# Altium PCB Beagle93.PCBDOC (part 1 of 7) (continued)
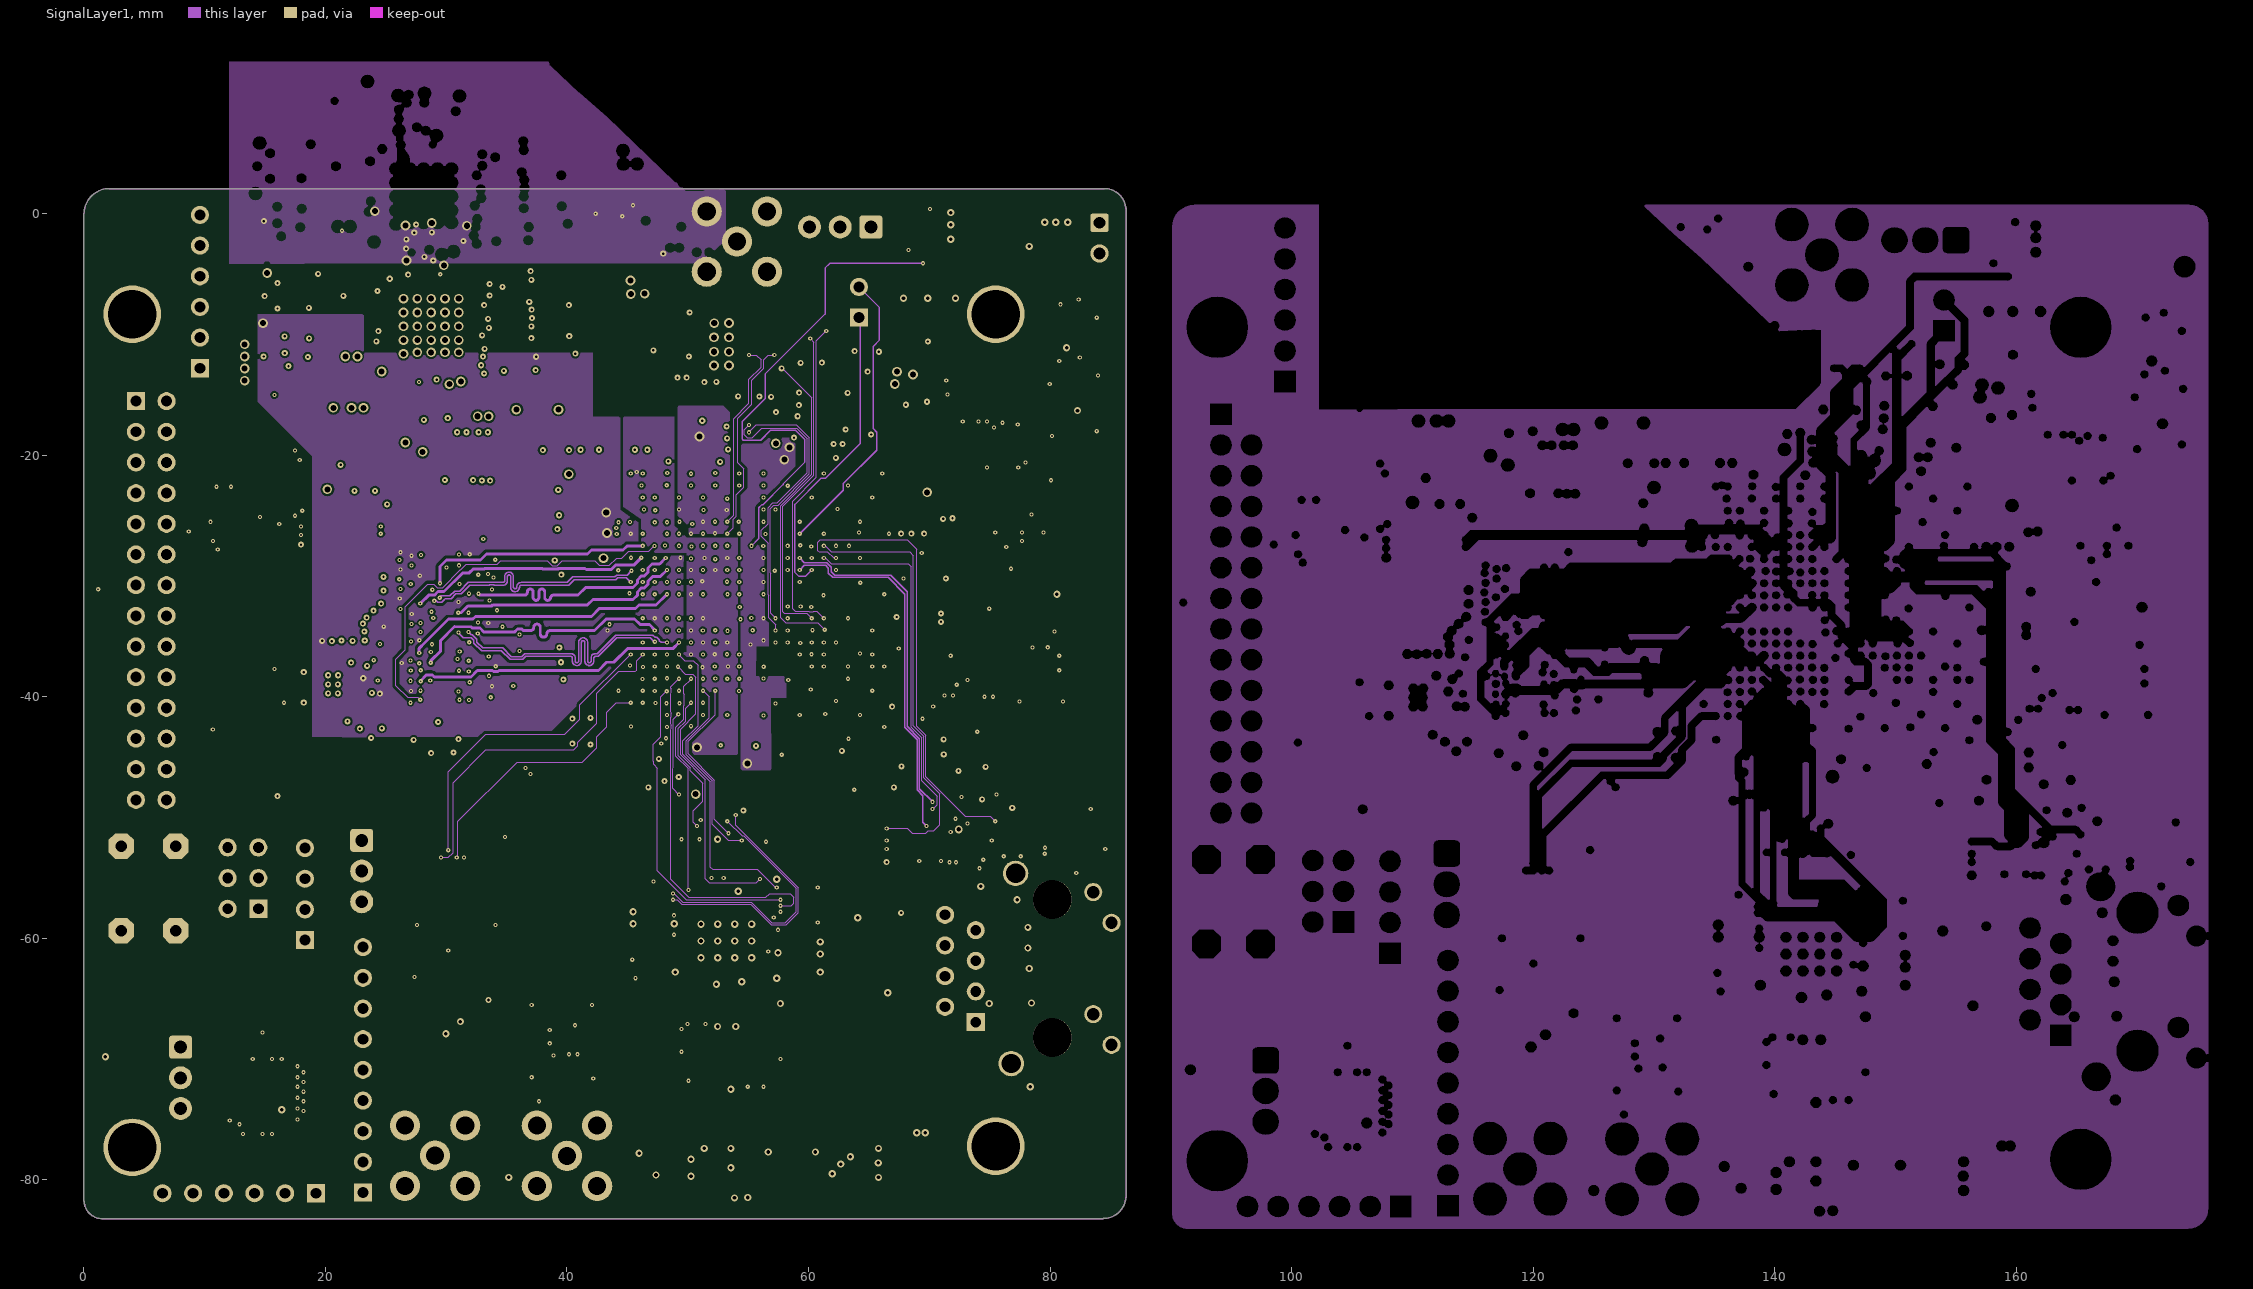
[diagram p4: SignalLayer1]
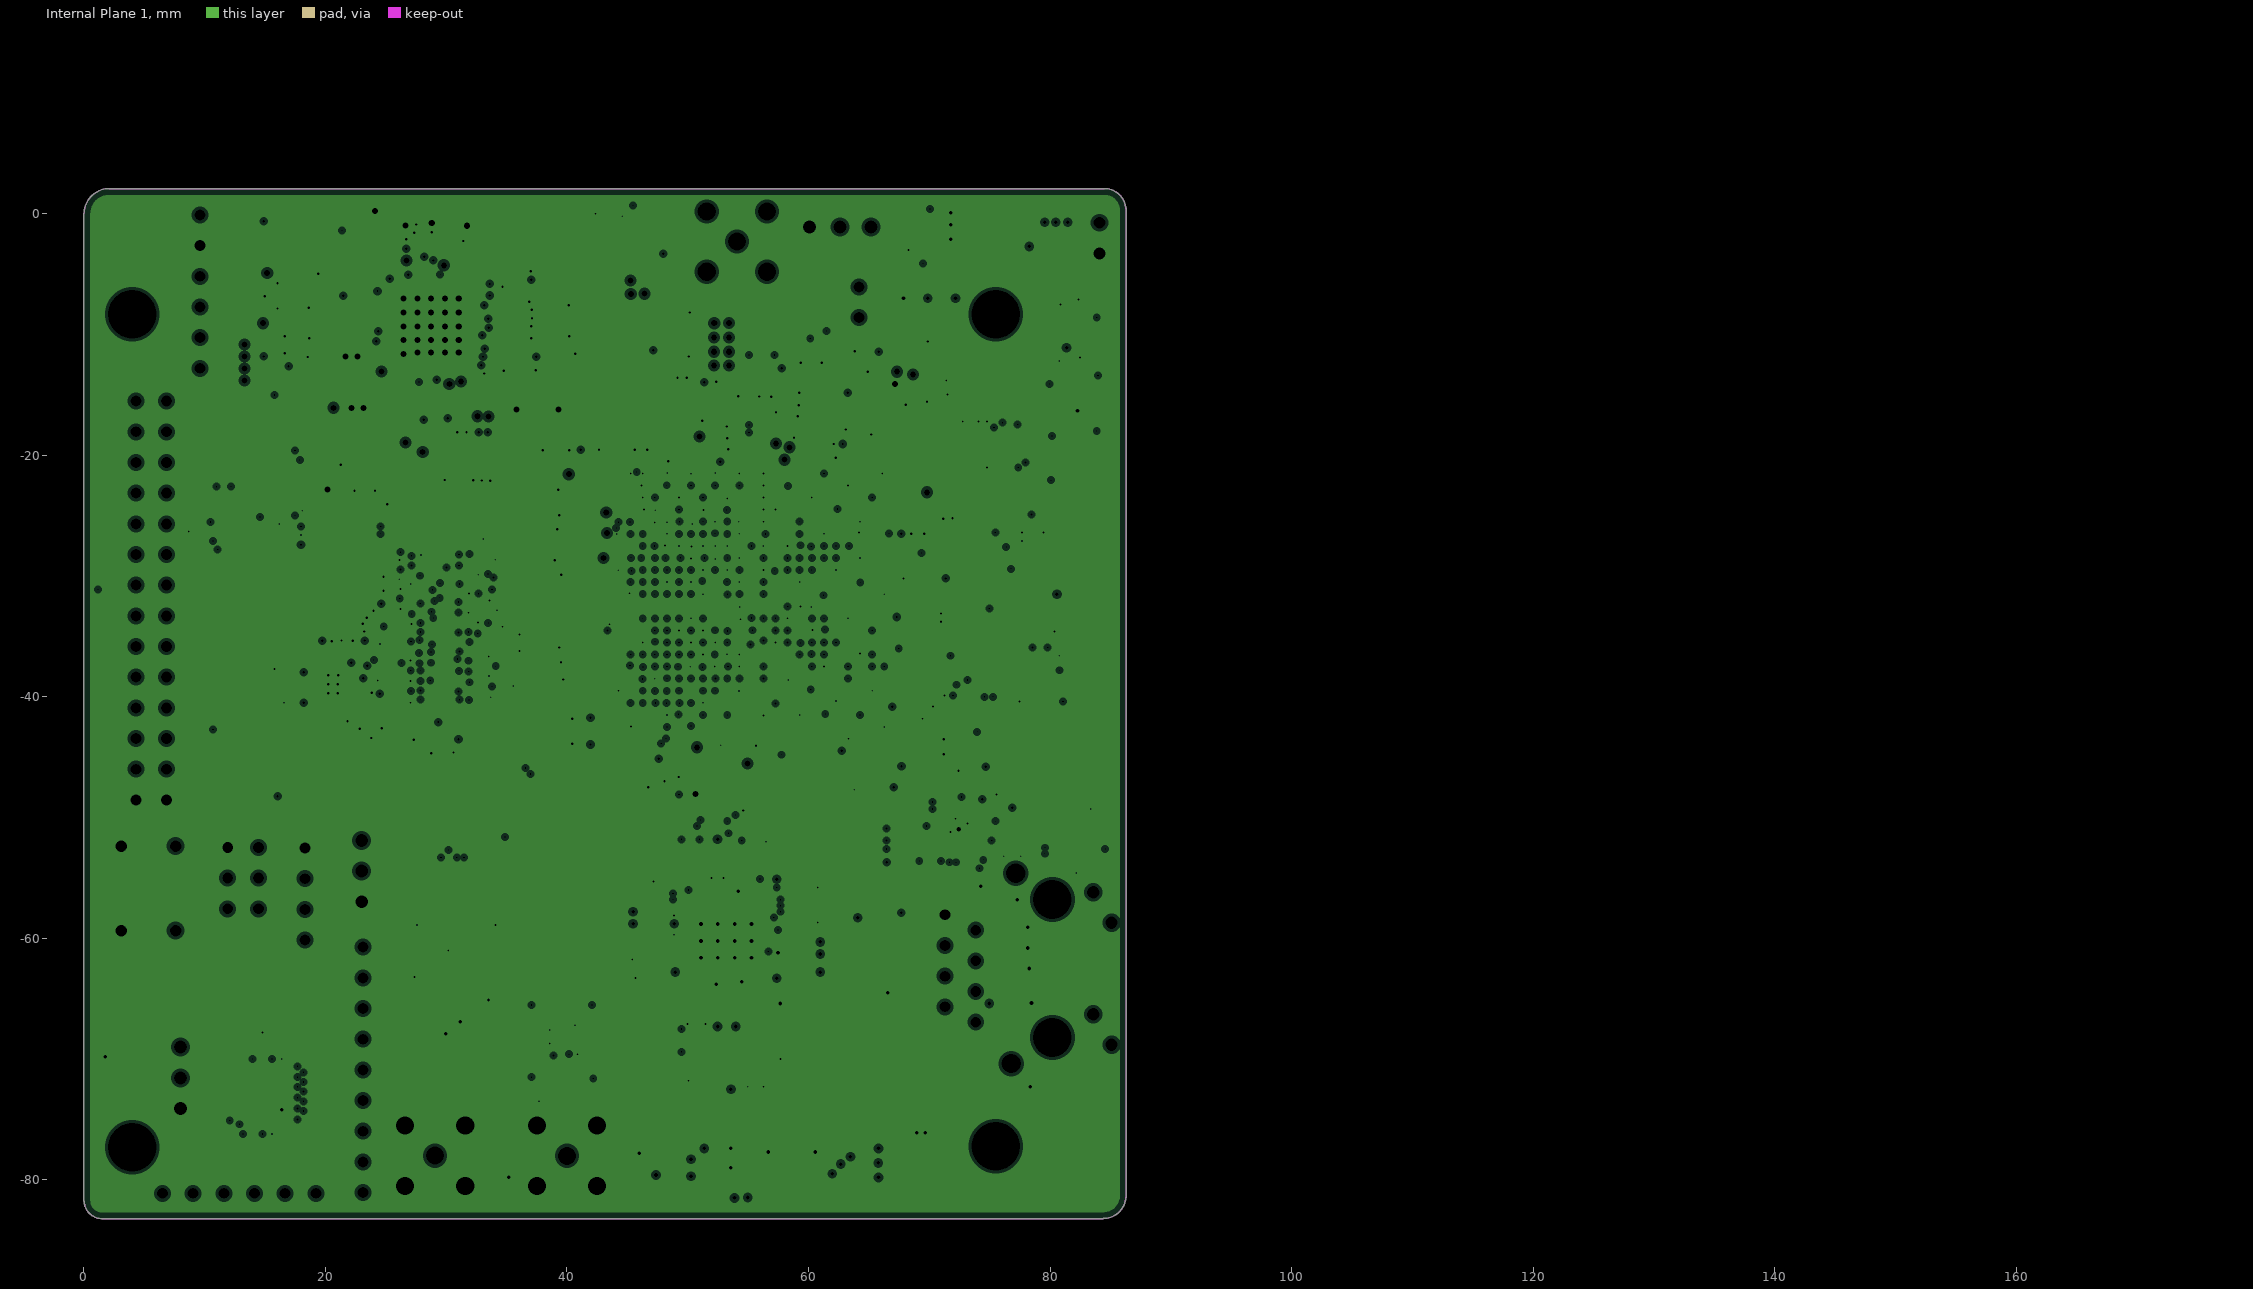
[diagram p5: Internal Plane 1, clearances drawn from the general rule]
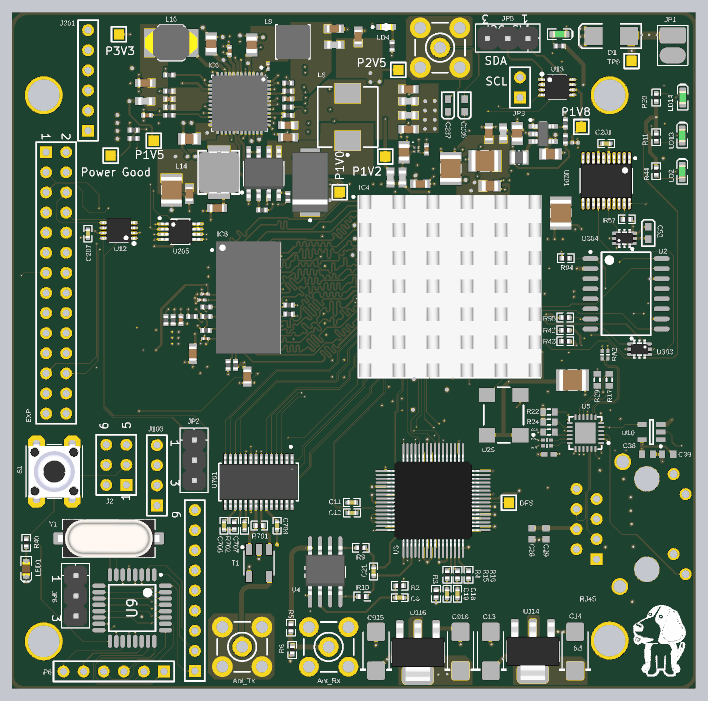
[diagram p12: 3D render of the assembled board from above, using the file's embedded part models]
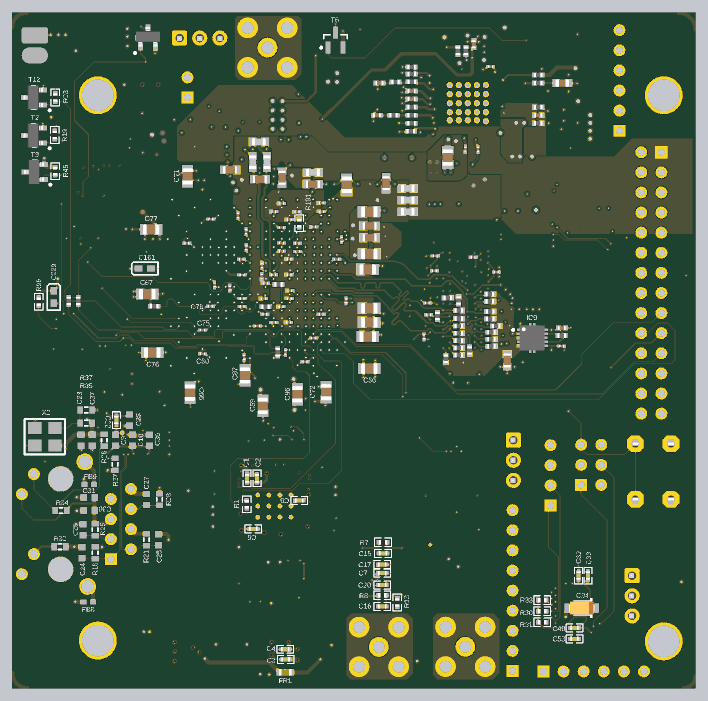
[diagram p13: 3D render of the assembled board from below, using the file's embedded part models]

## Layer stack, top to bottom
TopSolder: solder mask 0.0225, Solder Resist, Dk 3.5
TopLayer: signal copper 0.053
Dielectric1: core 0.11, FR-4, Dk 4.2
MidLayer1: signal copper 0.018
Dielectric2: prepreg 0.2, FR-4, Dk 4.2
MidLayer2: signal copper 0.018
Dielectric3: core 0.73, FR-4, Dk 4.2
SignalLayer1: signal copper 0.018
Dielectric4: prepreg 0.2, FR-4, Dk 4.2
Internal Plane 1: plane copper 0.018, net GND
Dielectric5: core 0.11, FR-4, Dk 4.2
BottomLayer: signal copper 0.053
BottomSolder: solder mask 0.0225, Solder Resist, Dk 3.5

## Board outline
0,-81.7 ccw(c1.5,-81.7) 1.5,-83.2 84.4,-83.2 84.415,-83.185 ccw(c84.415,-81.3) 86.3,-81.3 86.3,0.3 ccw(c84.5,0.3) 84.5,2.1 2.1,2.1 ccw(c2.1,0) 0,0

## Design rules (kind name [scope] priority, off if disabled: settings)
AcuteAngle [All] p1: minimum=6.00000000000000E+0001 checktracksonly=FALSE
AssemblyTestPointUsage [All] p1 off:
AssemblyTestpoint [All] p1 off: testpointundercomponent=TRUE minsize=1.016 maxsize=2.54 preferedsize=1.524 minholesize=0 maxholesize=1.016 preferedholesize=0.813 testpointgrid=0.025 usegrid=TRUE gridtolerance=0 allowsidetop=TRUE allowsidebottom=TRUE
Clearance Clearance_poly_balancing [InNamedPolygon('BAL_TOP') or InNamedPolygon('BAL_BOT') or InNamedPolygon('ML1_BAL') or  InNamedPolygon('ML2_BAL')] p1: gap=0.152
Clearance Clearance_via [IsVia vs IsVia] p2: gap=0.254 except(0.076: Arc-Track Arc-SMDPad Track-Track Track-SMDPad SMDPad-SMDPad SMDPad-Fill SMDPad-Region THPad-Fill THPad-Region; 0.08: Arc-Arc; 0.1: Arc-Fill Arc-Region Track-Fill Track-Region Fill-Fill Fill-Region; 0.127: Arc-Poly Track-Poly SMDPad-Poly THPad-Poly Fill-Poly Poly-Poly Poly-Region Region-Region; 0.15: Arc-Via Track-Via SMDPad-Via Via-Via Via-Fill Via-Poly Via-Region; 0.2: Arc-THPad Track-THPad SMDPad-THPad THPad-THPad THPad-Via)
Clearance Clearance_inner_lvds_mid2 [(OnLayer('MidLayer2') AND InNetClass('Diff_100Ohm'))] p3 off: gap=0.54
Clearance Clearance_inner_lvds_sign1 [(InDifferentialPairClass('All Differential Pairs'))] p4 off: gap=0.54 except(0.1: Arc-SMDPad Track-SMDPad; 0.15: Arc-Via Track-Via SMDPad-Via; 0.2: Arc-THPad Track-THPad SMDPad-SMDPad THPad-Via Via-Via)
Clearance Clearance_ddr [IsTrack and (InNetClass('DDR_BL0') OR InNetClass('DDR_AddressAndControls')) vs IsTrack and (InNetClass('DDR_BL0') OR InNetClass('DDR_AddressAndControls'))] p5 off: gap=0.5 except(0.15: Arc-Via Track-Via; 0.25: Arc-Arc Arc-Track Track-Track; 0.54: Via-Via Via-Fill Via-Poly Via-Region Via-Text Fill-Fill Fill-Poly Fill-Region Fill-Text Poly-Poly Poly-Region Poly-Text Region-Region Region-Text Text-Text)
Clearance Clearance_inner [(OnLayer('MidLayer1') OR OnLayer('MidLayer2') OR OnLayer('SignalLayer1'))] p6: gap=0.25 except(0.076: Arc-Arc Arc-Track Arc-SMDPad Track-Track Track-SMDPad SMDPad-SMDPad SMDPad-Fill SMDPad-Region THPad-Fill THPad-Region; 0.1: Track-Region; 0.127: SMDPad-Poly THPad-Poly; 0.15: Arc-Via Track-Via Via-Fill Via-Poly Via-Region Region-Region; 0.2: SMDPad-Via THPad-Via; 0.254: Arc-Text Track-Text SMDPad-Text THPad-Text Via-Text Fill-Text Poly-Text Region-Text Text-Text)
Clearance [OnLayer('TopLayer') or OnLayer('BottomLayer')] p7: gap=0.089 except(0.1: Arc-Fill Arc-Region Track-Fill Track-Region Fill-Fill Fill-Region Poly-Region Region-Region; 0.127: Arc-Poly Track-Poly SMDPad-Poly THPad-Poly Fill-Poly Poly-Poly; 0.15: Arc-Via Track-Via SMDPad-Via Via-Fill Via-Region; 0.152: Via-Poly; 0.2: Arc-THPad Track-THPad SMDPad-THPad THPad-THPad THPad-Via; 0.254: Arc-Text Track-Text SMDPad-Text THPad-Text Via-Text Fill-Text Poly-Text Region-Text Text-Text; 0.275: Via-Via)
ComponentClearance [All] p1 off: gap=0.254 collisioncheckmode=3 verticalgap=0.254 showdistances=FALSE
DiffPairsRouting DiffPairsRouting_lvpecl [InDifferentialPairClass('LVPECL')] p1: maxlimit=0.31 minlimit=0.125 mostfreqgap=0.31 toplayer_maxgap=0.125 toplayer_prefgap=0.125 toplayer_minwidth=0.095 toplayer_maxwidth=0.095 toplayer_prefwidth=0.095 midlayer1_mingap=0.25 midlayer1_maxgap=0.25 midlayer1_prefgap=0.25 midlayer1_minwidth=0.15 midlayer1_maxwidth=0.15 midlayer1_prefwidth=0.15 midlayer2_mingap=0.31 midlayer2_minwidth=0.165 midlayer2_maxwidth=0.165 midlayer2_prefwidth=0.165 midlayer7_mingap=0.31 midlayer7_minwidth=0.165 midlayer7_maxwidth=0.165 midlayer7_prefwidth=0.165 bottomlayer_maxgap=0.125 bottomlayer_prefgap=0.125 bottomlayer_minwidth=0.095 bottomlayer_maxwidth=0.095 bottomlayer_prefwidth=0.095 maxuncoupledlength=3
DiffPairsRouting DiffPairsRouting_100_Ohm [InDifferentialPairClass('Diff_100Ohm')] p2: maxlimit=0.25 minlimit=0.12 mostfreqgap=0.12 toplayer_mingap=0.125 toplayer_maxgap=0.125 toplayer_prefgap=0.125 toplayer_minwidth=0.095 toplayer_maxwidth=0.095 toplayer_prefwidth=0.095 midlayer1_mingap=0.25 midlayer1_prefgap=0.25 midlayer1_minwidth=0.15 midlayer1_maxwidth=0.15 midlayer1_prefwidth=0.15 midlayer2_maxgap=0.12 midlayer2_minwidth=0.1 midlayer2_maxwidth=0.115 midlayer2_prefwidth=0.115 midlayer7_maxgap=0.12 midlayer7_minwidth=0.1 midlayer7_maxwidth=0.115 midlayer7_prefwidth=0.115 bottomlayer_mingap=0.125 bottomlayer_maxgap=0.125 bottomlayer_prefgap=0.125 bottomlayer_minwidth=0.095 bottomlayer_maxwidth=0.095 bottomlayer_prefwidth=0.095 maxuncoupledlength=10
DiffPairsRouting DiffPairsRouting_90_Ohm [InDifferentialPairClass('Diff_90Ohm')] p3: maxlimit=0.15 minlimit=0.12 mostfreqgap=0.12 toplayer_mingap=0.15 toplayer_prefgap=0.15 toplayer_minwidth=0.135 toplayer_maxwidth=0.135 toplayer_prefwidth=0.135 midlayer1_mingap=0.125 midlayer1_maxgap=0.125 midlayer1_prefgap=0.125 midlayer1_minwidth=0.312 midlayer1_maxwidth=0.312 midlayer1_prefwidth=0.312 midlayer2_maxgap=0.12 midlayer2_minwidth=0.15 midlayer2_maxwidth=0.15 midlayer2_prefwidth=0.15 midlayer7_maxgap=0.12 midlayer7_minwidth=0.15 midlayer7_maxwidth=0.15 midlayer7_prefwidth=0.15 bottomlayer_mingap=0.15 bottomlayer_prefgap=0.15 bottomlayer_minwidth=0.135 bottomlayer_maxwidth=0.135 bottomlayer_prefwidth=0.135 maxuncoupledlength=12.7
DiffPairsRouting [All] p4 off: maxlimit=0.254 minlimit=0.12 mostfreqgap=0.125 toplayer_minwidth=0.075 toplayer_maxwidth=0.5 toplayer_prefwidth=0.125 midlayer1_minwidth=0.075 midlayer1_maxwidth=0.5 midlayer1_prefwidth=0.125 midlayer2_minwidth=0.075 midlayer2_maxwidth=0.5 midlayer2_prefwidth=0.125 midlayer7_minwidth=0.075 midlayer7_maxwidth=0.5 midlayer7_prefwidth=0.125 bottomlayer_minwidth=0.075 bottomlayer_maxwidth=0.5 bottomlayer_prefwidth=0.125 maxuncoupledlength=3
FabricationTestPointUsage TestPointUsage [All] p1: valid=0 allowmultiple=FALSE
FabricationTestpoint Testpoint [All] p1: side=3 testpointundercomponent=TRUE minsize=1.016 maxsize=2.54 preferedsize=1.524 minholesize=0.508 maxholesize=1.016 preferedholesize=0.813 testpointgrid=0.025 allowsidetop=TRUE allowsidebottom=TRUE usegrid=TRUE gridtolerance=0
Height Height_1 [OnLayer('BottomLayer')] p1: minheight=0 maxheight=2 prefheight=1
Height [All] p2: minheight=0 maxheight=25.4 prefheight=12.7
HoleSize [All] p1: absolutevalues=TRUE maxlimit=6 minlimit=0.15 maxpercent=80.000 minpercent=20.000
HoleToHoleClearance [All] p1: gap=0.15 allowstackedmicrovias=TRUE
MatchedLengths MatchedLengths_sfp [InDifferentialPairClass('SFP_RX_TX')] p1: tolerance=1 checknetsindiffpair=TRUE checkdiffpairvsdiffpair=FALSE checkothers=FALSE
MatchedLengths MatchedLengths_diff_clocks [InxSignalClass('Differential clocks')] p2: tolerance=1 checknetsindiffpair=TRUE checkdiffpairvsdiffpair=FALSE checkothers=FALSE
MatchedLengths MatchLengths_xSignals_clock_fanout [InxSignalClass('Clock fanout')] p3: tolerance=1 checknetsindiffpair=FALSE checkdiffpairvsdiffpair=TRUE checkothers=TRUE
MatchedLengths MatchedLengths_ext0 [InNetClass('EXT0')] p4: tolerance=10 checknetsindiffpair=FALSE checkdiffpairvsdiffpair=TRUE checkothers=TRUE
MatchedLengths MatchedLengths_ext11 [InNetClass('EXT11')] p5: tolerance=10 checknetsindiffpair=FALSE checkdiffpairvsdiffpair=TRUE checkothers=TRUE
MatchedLengths MatchedLengths_ext10 [InNetClass('EXT10')] p6: tolerance=10 checknetsindiffpair=FALSE checkdiffpairvsdiffpair=TRUE checkothers=TRUE
MatchedLengths MatchedLengths_ext9 [InNetClass('EXT9')] p7: tolerance=10 checknetsindiffpair=FALSE checkdiffpairvsdiffpair=TRUE checkothers=TRUE
MatchedLengths MatchedLengths_ext8 [InNetClass('EXT8')] p8: tolerance=10 checknetsindiffpair=FALSE checkdiffpairvsdiffpair=TRUE checkothers=TRUE
MatchedLengths MatchedLengths_ext7 [InNetClass('EXT7')] p9: tolerance=10 checknetsindiffpair=FALSE checkdiffpairvsdiffpair=TRUE checkothers=TRUE
MatchedLengths MatchedLengths_ext6 [InNetClass('EXT6')] p10: tolerance=10 checknetsindiffpair=FALSE checkdiffpairvsdiffpair=TRUE checkothers=TRUE
MatchedLengths MatchedLengths_ext5 [InNetClass('EXT5')] p11: tolerance=10 checknetsindiffpair=FALSE checkdiffpairvsdiffpair=TRUE checkothers=TRUE
MatchedLengths MatchedLengths_ext4 [InNetClass('EXT4')] p12: tolerance=10 checknetsindiffpair=FALSE checkdiffpairvsdiffpair=TRUE checkothers=TRUE
MatchedLengths MatchedLengths_ext3 [InNetClass('EXT3')] p13: tolerance=10 checknetsindiffpair=FALSE checkdiffpairvsdiffpair=TRUE checkothers=TRUE
MatchedLengths MatchedLengths_ext2 [InNetClass('EXT2')] p14: tolerance=10 checknetsindiffpair=FALSE checkdiffpairvsdiffpair=TRUE checkothers=TRUE
MatchedLengths MatchedLengths_ext1 [InNetClass('EXT1')] p15: tolerance=10 checknetsindiffpair=FALSE checkdiffpairvsdiffpair=TRUE checkothers=TRUE
MatchedLengths MatchedLengths_DDR_CLOCKS_STROBES [InxSignalClass('ADDR_PP1') OR InxSignalClass('DATA_BL0')] p16: tolerance=0.508 checknetsindiffpair=TRUE checkdiffpairvsdiffpair=FALSE checkothers=FALSE
MatchedLengths MatchedLengths_DATA_BL0 [InxSignalClass('DATA_BL0')] p17: tolerance=1.3 checknetsindiffpair=FALSE checkdiffpairvsdiffpair=TRUE checkothers=TRUE
MatchedLengths MatchedLengths_ADDR_PP1 [InxSignalClass('ADDR_PP1')] p18: tolerance=2 checknetsindiffpair=FALSE checkdiffpairvsdiffpair=TRUE checkothers=TRUE
MatchedLengths [InDifferentialPairClass('All Differential Pairs')] p19: tolerance=5 checknetsindiffpair=TRUE checkdiffpairvsdiffpair=FALSE checkothers=FALSE
MinimumAnnularRing MinimumAnnularRing_mid [OnLayer('MidLayer1') or OnLayer('MidLayer2') or OnLayer('MidLayer3') or OnLayer('MidLayer4')] p1: minimumring=0.15
MinimumAnnularRing MinimumAnnularRing_outer [OnLayer('TopLayer') or OnLayer('BottomLayer')] p2: minimumring=0.05
MinimumSolderMaskSliver [All] p1: minsoldermaskwidth=0.075
ParallelSegment [All] p1 off: limit=5 gap=0.254
PlaneClearance [All] p1: clearance=0.254
PlaneConnect [All] p1: planeconnectstyle=Relief reliefexpansion=0.2 reliefentries=4 reliefconductorwidth=0.254 reliefairgap=0.254
PolygonConnect PolygonConnect_pad [IsPad] p1 off: connectstyle=Relief reliefconductorwidth=0.254 reliefentries=4 polygonreliefangle="90 Angle" airgapwidth=0.254
PolygonConnect [All] p2: connectstyle=Direct reliefconductorwidth=0.254 reliefentries=4 polygonreliefangle="45 Angle" airgapwidth=0.254
RoutingLayers RoutingLayers_1 [InNetClass('Diff_100Ohm')] p1: top layer_v5=TRUE mid layer 1_v5=FALSE mid layer 2_v5=TRUE mid layer 7_v5=TRUE bottom layer_v5=TRUE
RoutingLayers [All] p2: top layer_v5=TRUE mid layer 1_v5=TRUE mid layer 2_v5=TRUE mid layer 7_v5=TRUE bottom layer_v5=TRUE
RoutingTopology RoutingTopology_DDRAddressAndControls [InNetClass('DDR_AddressAndControls')] p1: topology=Daisy_Simple
RoutingTopology [All] p2: topology=Shortest
RoutingVias [All] p1: holewidth=0.15 width=0.35 viastyle="Through Hole" minholewidth=0.15 minwidth=0.35 maxholewidth=0.6 maxwidth=0.8
SMDEntry [All] p1 off: side=TRUE corner=TRUE anyangle=FALSE
SilkToSilkClearance [All] p1: silktosilkclearance=0.15
SilkToSolderMaskClearance SilkscreenOverComponentPads [IsPad] p1: minsilkscreentomaskgap=0.001 clearancetoexposedcopper=FALSE
SolderMaskExpansion [All] p1: expansion=0.05
StubLength [All] p1: limit=3
UnConnectedPin [All] p1 off:
ViasUnderSMD ViasUnderSMD_1 [(InNet('GND') AND (InComponent('IC1') or InComponent('IC2') or InComponent('IC3') or InComponent('IC9') or InComponent('IC6') or InComponent('U5') or InComponent('JP1') or InComponent('U10') or InComponent('U3') or InComponent('IC14') or InComponent('IC15') or InComponent('IC18')))] p1 off: allowed=TRUE
ViasUnderSMD [All] p2 off: allowed=FALSE
Width Width_50Ohm [InNetClass('50Ohm')] p1: maxlimit=1 minlimit=0.19 preferedwidth=0.24 toplayer_maxwidth=0.19 toplayer_prefwidth=0.19 midlayer1_minwidth=0.3 midlayer1_prefwidth=0.65 midlayer2_minwidth=0.24 midlayer2_maxwidth=0.24 midlayer7_minwidth=0.24 midlayer7_maxwidth=0.24 bottomlayer_maxwidth=0.19 bottomlayer_prefwidth=0.19 minimp=50.000000 maximp=50.000000 favimp=50.000000
Width [All] p2: maxlimit=2 minlimit=0.075 preferedwidth=0.125
14 further rules are at their usual default settings.

## Classes and differential pairs
component class U_FPGA: C236 C237 CLOCK1 IC4 LD2 LD13 LD14 R11 R19 R20 R23 R42 R43 R44 R45 R191 T2 T3 T12
component class TOP: C161 C229 FTG1 FTG2 FTG3 FTG4 FTG5 FTG6 JP3 JP5 R94 R95 R96 U2 U13 U25 U303 U304
component class U_main: C201 C207 EXP JP2 U12 U201 U205
component class U_ethernet: C9 C10 C22 C23 C24 C25 C26 C27 C28 C29 C30 C31 C35 C36 C37 C38 C39 FB1 FB8 FB9 R17 R18 R21 R22 R24 R25 R26 R27 R28 R29 R32 R34 R35 R36 R37 RA1 RA2 RJ45 U5 U10 X2
component class DAC: Ant_Tx C706 C707 C708 R701 R702 T1 U701
component class AVR: C32 C33 C34 C49 C53 J2 J103 JP6 LED1 P6 P9 R30 R31 R33 R40 S1 U9 Y1
component class U_adc: Ant_Rx C1 C2 C3 C4 C5 C6 C7 C8 C11 C12 C13 C14 C15 C16 C17 C18 C19 C20 C21 C915 C916 Cage1 DFS FR1 R1 R2 R3 R4 R5 R6 R7 R8 R9 R10 R13 R15 R16 U3 U4 U114 U116
differential pair class LVPECL: CK_FPGAIO CK_GTP CKI_FPGAIO CKI_GTP CKIN0 CKIN2 CKOUT_1 CKOUT_D_2 CLK_EXT CLK_SMA_IN EEM_CLK_OUT7
differential pair class SFP_RX_TX: SFP_RX_TX_0.RD SFP_RX_TX_0.TD SFP_RX_TX_1.RD SFP_RX_TX_1.TD SFP_RX_TX_2.RD SFP_RX_TX_2.TD
differential pair class Diff_90Ohm: USB_D_R
net class 50Ohm: DDR3_A0 DDR3_A1 DDR3_A2 DDR3_A3 DDR3_A4 DDR3_A5 DDR3_A6 DDR3_A7 DDR3_A8 DDR3_A9 DDR3_A10 DDR3_A11 DDR3_A12 DDR3_A13 DDR3_A14 DDR3_BA0 DDR3_BA1 DDR3_BA2 DDR3_CAS_N DDR3_CK_N DDR3_CK_P DDR3_CKE DDR3_DQ0 DDR3_DQ1 DDR3_DQ2 DDR3_DQ3 DDR3_DQ4 DDR3_DQ5 DDR3_DQ6 DDR3_DQ7 DDR3_DQ8 DDR3_DQ9 DDR3_DQ10 DDR3_DQ11 DDR3_DQ12 DDR3_DQ13 DDR3_DQ14 DDR3_DQ15 DDR3_LDM DDR3_LDQS_N DDR3_LDQS_P DDR3_ODT DDR3_RAS_N DDR3_UDM DDR3_UDQS_N DDR3_UDQS_P DDR3_WE_N
component class FPGA_JTAG: C52
component class Artix: C50 C51 C57 C60 C61 C62 C63 C64 C65 C95 C97 C98 C99 C100 C101 C112 C113 C114 C115 C116 C120 C122 C123 C124 C125 C161 C229 C240 IC4 L4 L5 R11 R19 R20 R23 R42 R43 R44 R45 R46 R47 R48 R52 R53 R54 R55 R56 R94 R95 R96 R191 T2 T3 T4 T12
component class PowerSupplies: C126 C127 C128 C129 C130 C131 C132 C133 C134 C135 C136 C137 C138 C139 C140 C141 C142 C143 C145 C146 C147 C148 C149 C150 C151 C152 C153 C154 C155 C156 C157 C158 C159 C160 C230 C231 C232 C233 D1 IC6 IC23 JP1 L6 L7 L8 L9 L10 L11 L12 L13 L14 L15 L16 L17 L18 L19 L26 L27 L28 LD4 R12 R14 R49 R51 R59 R60 R61 R62 R63 R64 R65 R66 R67 R68 R69 R70 R71 R72 R75 R77 R78 R79 R81 R82 R83 R84 R85 R92 R93 T5 T6 TP5 TP6 TP7 TP8 TP9 TP10 TP11 TP12 U1
component class U_FPGA_SDRAM: C162 C163 C164 C165 C166 C167 C168 C169 C170 C171 C172 C173 C174 C175 C176 C177 IC8 IC9 R99 R100 R101 R102 R103 R104 R105 R106 R107 R108 R109 R110 R111 R112 R113 R114 R115 R116 R117 R118 R119 R120 R121 R122 R123 R124 R125 R126 R127 R128 R129
component class FPGAPower&Misc: C50 C51 C52 C54 C55 C56 C57 C58 C59 C60 C61 C62 C63 C64 C65 C66 C67 C68 C69 C70 C71 C72 C73 C74 C75 C76 C77 C78 C79 C80 C81 C82 C83 C84 C85 C86 C87 C88 C89 C90 C91 C92 C93 C94 C95 C96 C97 C98 C99 C100 C101 C102 C103 C104 C105 C106 C107 C108 C109 C110 C111 C112 C113 C114 C115 C116 C117 C118 C119 C120 C121 C122 C123 C124 C125 C235 C240 HS1 J301 L4 L5 LD3 R46 R47 R48 R52 R53 R54 R55 R56 R57 T4